# Altium PCB P1.1-worcv.PcbDoc (part 2 of 2)
Units mm, origin at the board's own origin, x right, y up, seen from the top; angles counter-clockwise.
Board outline 81 x 100 mm, 2 copper layers (Top Layer, Bottom Layer); 231 components, 118 nets, 665 pads, 762 vias.
Unrouted connection lines stored in the file: 9.
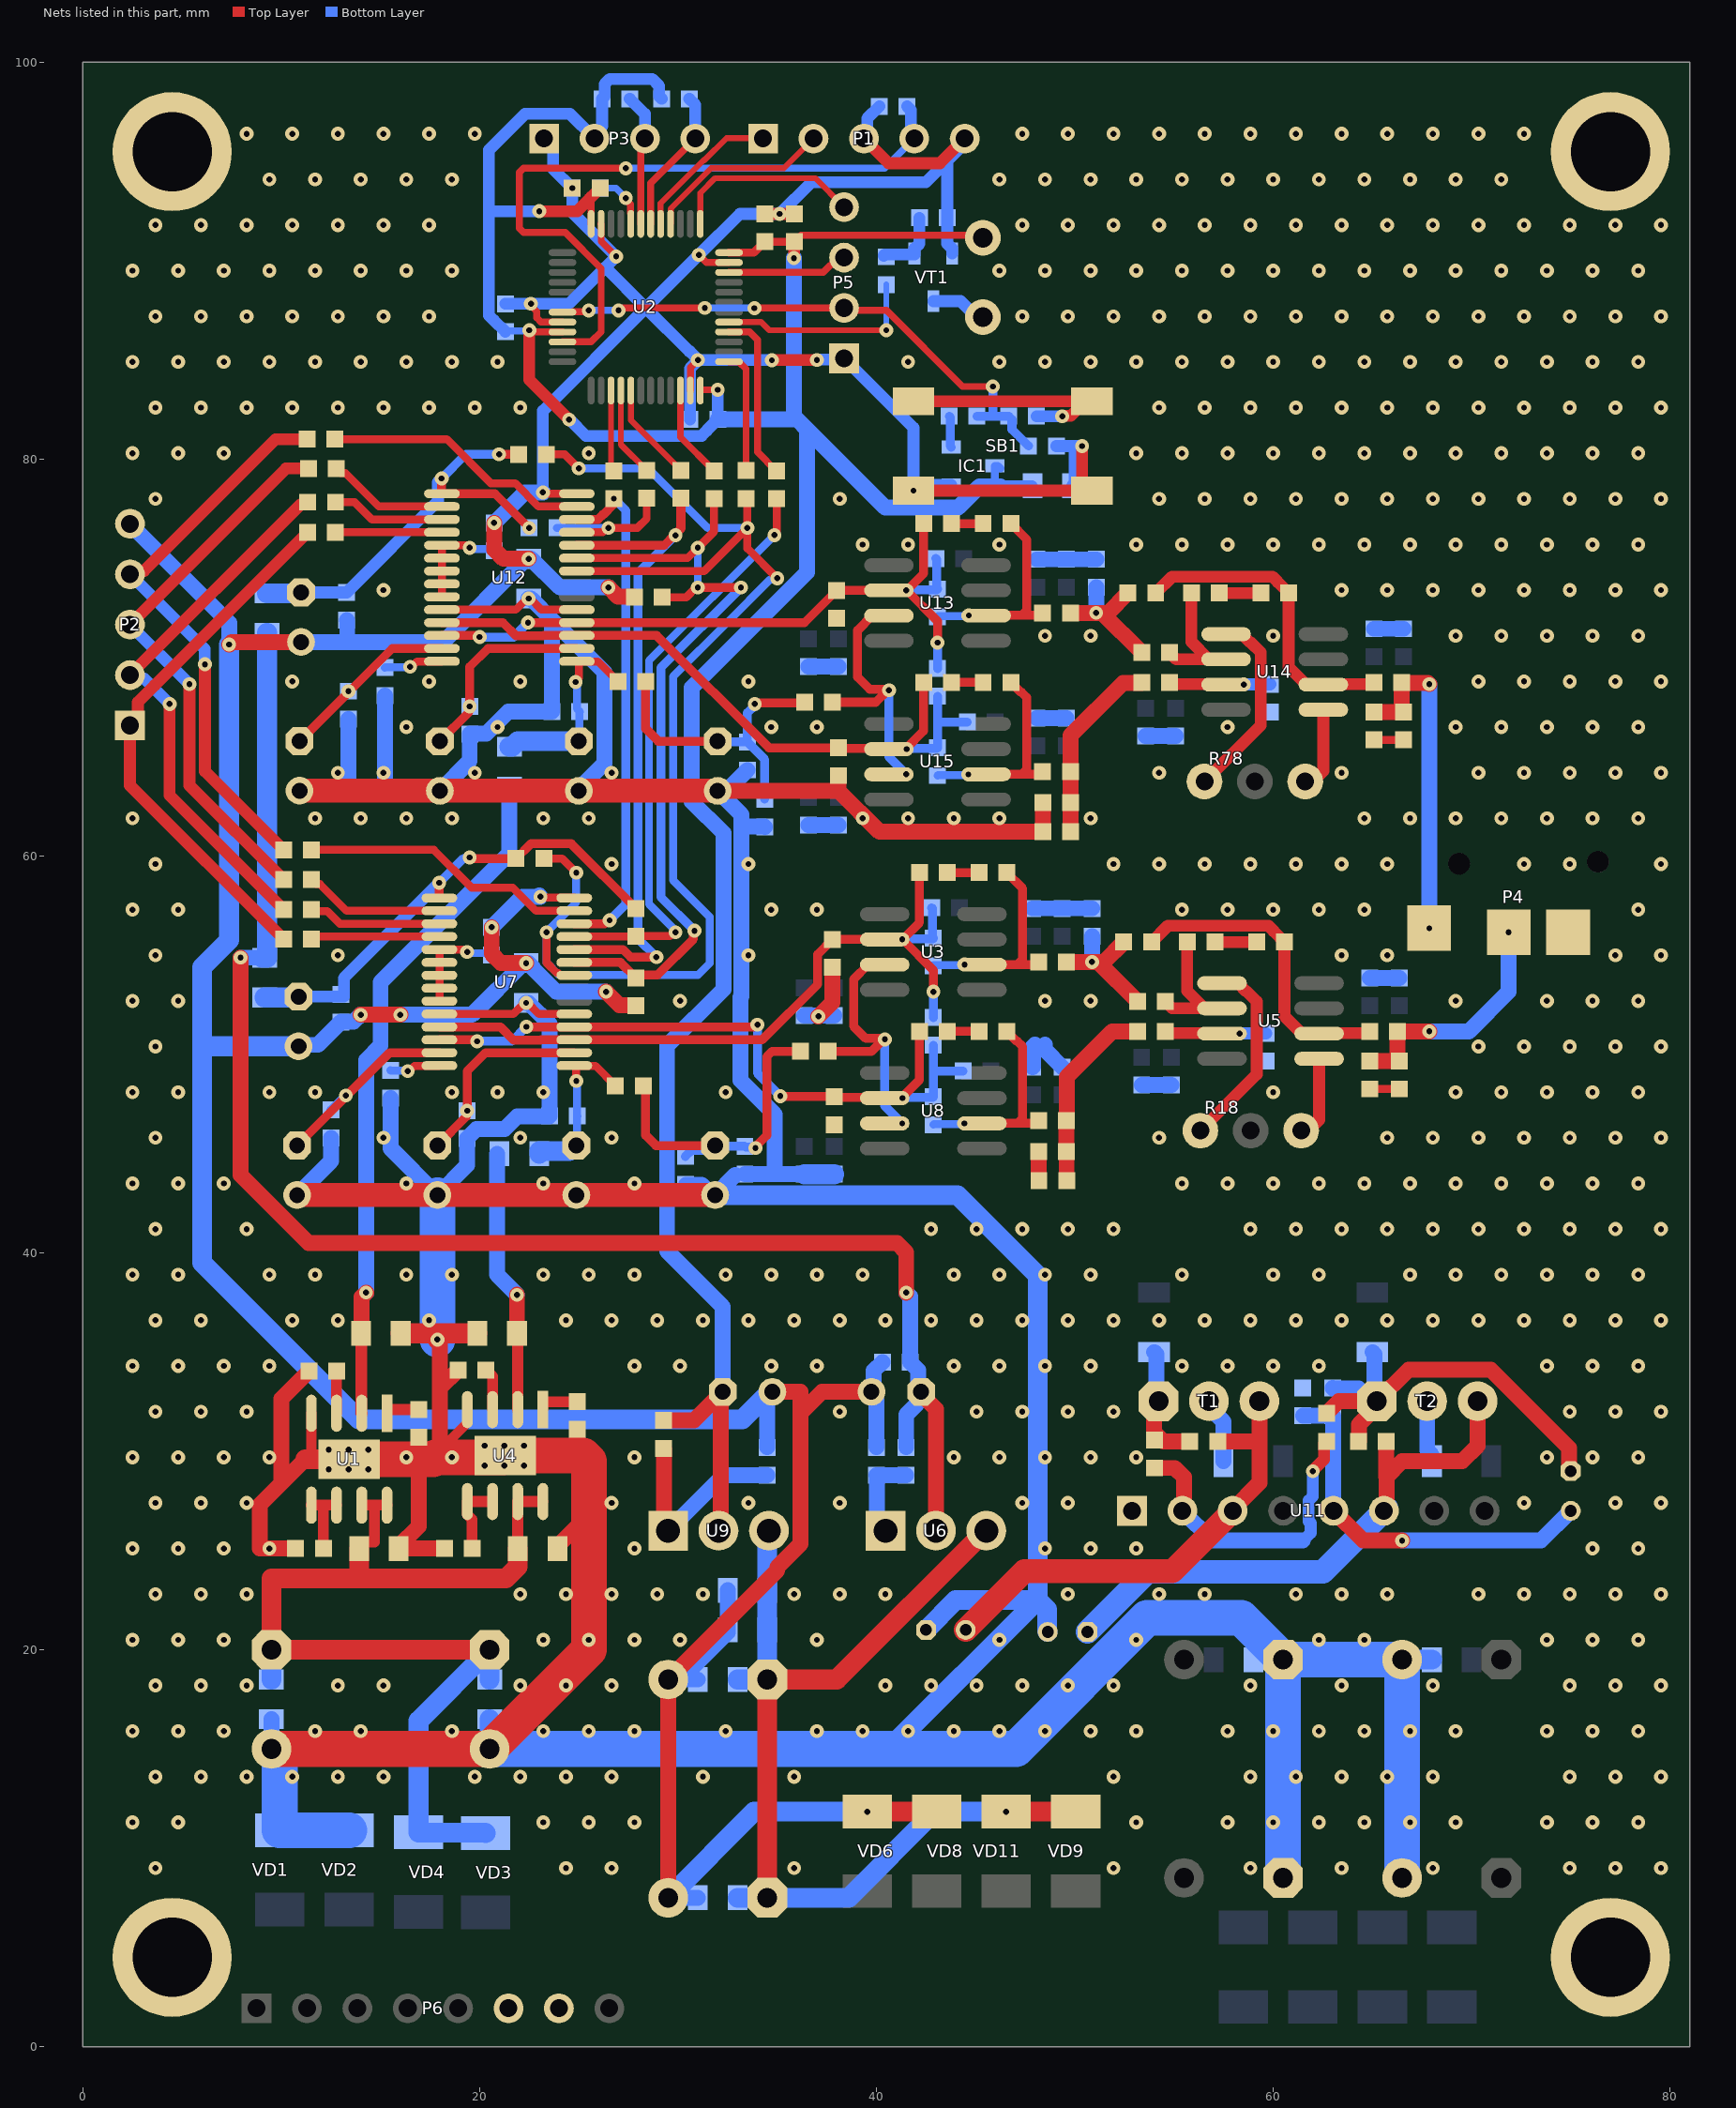
[diagram p2: the nets of this part, all layers, seen from the top]

## Via types
v1: diameter 0.7, hole 0.3, Top Layer to Bottom Layer, tented both sides, 749 vias
v2: diameter 0.7, hole 0.3, Top Layer to Bottom Layer, 13 vias

## Nets (pads, with @x,y where several pads share a name; then routed paths per layer and width w, separated by ;. In a path a pad name is that pad's centre, name@x,y a point inside that pad or via, vN(x,y) a via of type N, cw(c..) or ccw(c..) an arc to the next point about the centre after c; other vN are vias at no path point) (continued)
AGNDD: C1.2 C2.2 C3.2 C4.2 C6.2 C7.2 C8.2 C9.2 C10.2 C12.1 C13.1 C14.2 C15.2 C16.2 C17.2 C19.2 C20.2 C21.2 C22.2 C23.2 C25.1 C26.2 C27.1 C28.2 C29.2 C30.2 C31.2 C36.2 C37.2 C38.1 C41.2 C42.2 C43.2 C44.2 C45.2 C46.2 C47.1 C48.1 C49.1 C50.1 C53.2 C54.2 C58.2 C62.2 C66.2 C67.2 C68.2 C69.2 C70.2 C71.2 C74.1 C75.1 C78.2 C79.2 C80.2 C81.2 C83.1 C84.2 C85.1 C86.2 C87.2 C89.2 C90.2 C91.2 C92.2 C93.2 C94.2 C95.1 C98.2 C99.2 C100.2 C101.2 C102.2 C103.2 L1.2 L4.2 P4.4 P6.6 P6.7 pad.2 pad.3 pad.4 R10.2 R17.1 R38.2 R40.1 R42.1 R67.2 R77.1 R79.2 R83.1 U1.4 U1.9 U4.4 U4.9 U7.10 U7.19 U11.1 U12.10 U12.19 VD1.1 VD2.1 | length 433.2
  Top Layer w0.4: U7.10@17.969,52.038 21.694,52.038 22.259,52.603 v1(22.34,52.603) 22.422,52.603 22.987,52.038 U7.19@24.769,52.038 ; U12.10@18.094,72.413 21.819,72.413 22.384,72.978 v1(22.465,72.978) 22.547,72.978 23.112,72.413 U12.19@24.894,72.413 ; R17.1@64.869,48.263 C38.1@66.369,48.263 ; R77.1@65.078,65.854 C95.1@66.578,65.854
  Top Layer w0.5: 11.513,29.906 U1.4@11.513,31.918 ; 18,30.057 19.378,31.436 U4.4@19.378,32.102
  Top Layer w0.6: 11.209,29.602 11.513,29.906
  Top Layer w0.8: C10.2@10.718,25.102 8.918,25.102 8.918,27.311 10,28.392 ; 11.209,29.602 10,28.392 ; C15.2@11.389,34.046 10,32.657 10,28.392 ; C14.2@16.918,30.702 16.918,29.602 16.918,26.227 15.918,25.227 C3.2@15.918,25.102 C21.2@18.218,25.102 ; 18,29.685 18,30.057 18,33.183 ; v1@18,35.5 18,33.183 ; C29.2@18.918,34.102 18,33.183 ; C16.2@23.918,25.227 24.918,26.227 ; 24.918,29.785 C28.2@24.918,31.102 ; C103.2@31.994,63.288 38.087,63.288 ; v2(37.073,51.92) 37.781,52.627 C20.2@37.781,54.391 ; C84.2@38.078,64.054 38.087,64.045 38.087,63.288 ; R10.2@48.181,45.1 48.186,45.095 48.186,43.642 C27.1@48.191,43.637 ; R67.2@48.39,62.691 48.39,61.22 40.155,61.219 38.087,63.288
  Top Layer w1: 11.209,29.602 U1.9@13.418,29.602 ; C4.2@16.018,35.945 v1@17.949,35.945 ; v1(17.869,35.631) 17.869,35.864 v1@17.949,35.945 ; C17.2@19.88,35.947 19.88,35.945 v1@17.949,35.945 ; C67.2@24.869,42.913 C69.2@31.869,42.913
  Top Layer w1.2: C44.2@10.793,42.916 10.794,42.914 31.867,42.914 C69.2@31.869,42.913 ; C91.2@10.918,63.291 10.919,63.289 31.992,63.289 C103.2@31.994,63.288
  Top Layer w1.8: C2.2@9.5,15 C7.2@20.5,15 25.5,20 25.5,29.5 25.215,29.785 24.918,29.785 U4.9@21.283,29.785 21.183,29.685 18,29.685 17.751,29.685 ; U1.9@13.418,29.602 16.918,29.602 17.667,29.602
  Bottom Layer w0.8: C2.2@9.5,15 C1.2@9.5,16.5 ; C44.2@10.793,42.916 12.5,44.623 C43.2@12.5,45.8 ; C91.2@10.918,63.291 10.919,63.289 13.5,63.289 ; C90.2@13.38,66.909 13.38,63.41 13.5,63.289 ; R79.2@15.222,68.094 15.222,63.511 15,63.289 ; R38.2@15.5,47.8 15.5,45.282 C46.2@17.869,42.913 19.369,44.413 C45.2@19.369,45.763 19.844,46.238 21.258,46.238 21.897,46.877 23.497,46.877 C66.2@23.522,46.902 23.522,51.546 22.465,52.603 v1(22.34,52.603) ; v1(22.465,72.978) 22.59,72.978 23.647,71.921 ; C99.2@24.994,63.288 24.994,63.375 26.294,64.675 26.294,69.274 23.647,71.921 ; R42.1@30.394,43.438 31.181,43.438 C69.2@31.706,42.913 ; C103.2@31.831,63.288 C103.2@31.994,63.288 33.192,62.09 33.192,52.919 33.15,52.877 33.15,48.703 34.869,46.984 34.869,43.963 ; C69.2@31.869,42.913 32.894,43.938 ; C103.2@32.447,63.291 C102.2@33.494,64.338 ; 33.192,61.488 34.344,61.488 R83.1@34.369,61.463 ; C68.2@33.369,43.963 34.869,43.963 ; C41.2@36.369,43.963 34.869,43.963 ; C23.2@36.369,51.963 C22.2@37.869,51.963 ; C101.2@36.578,61.554 C100.2@38.078,61.554 ; C81.2@36.578,69.554 C80.2@38.078,69.554 ; C30.2@47.869,49.363 47.894,49.388 47.894,50.394 48,50.5 ; C8.2@47.869,57.363 C19.2@50.869,57.363 ; C86.2@48.078,66.954 C87.2@49.578,66.954 ; C70.2@48.078,74.954 C78.2@51.078,74.954 ; 48.5,50.5 48.5,50.232 C31.2@49.369,49.363 ; C36.2@53.369,48.463 C37.2@54.869,48.463 ; C93.2@53.578,66.054 C94.2@55.078,66.054 ; C12.1@64.869,53.863 C13.1@66.369,53.863 ; C74.1@65.078,71.454 C75.1@66.578,71.454 ; 13.5,63.289 15,63.289 ; 15,63.289 C89.2@17.994,63.288 C89.2@17.994,63.288 19.494,64.788 C92.2@19.494,66.138 19.519,66.163 20.331,66.163 21.445,67.277 C98.2@23.647,67.277 23.647,71.921
  Bottom Layer w1: C7.2@20.5,15 C6.2@20.5,16.5 ; C69.2@31.706,42.913 C69.2@31.869,42.913 44.087,42.913 48.129,38.871 48.129,22.5 ; C41.2@36.369,43.963 C42.2@37.869,43.963 ; 40.629,15 48.129,22.5 ; C50.1@42.5,21 44,22.5 48.129,22.5 ; C62.2@48.636,20.9 48.598,20.939 48.598,22.031 48.129,22.5 ; C54.2@66.5,19.5 C58.2@68,19.5
  Bottom Layer w1.8: C2.2@9.5,15 9.5,14.946 9.918,14.527 VD1.1@9.918,10.895 VD2.1@13.418,10.895 ; v1(17.869,35.631) C46.2@17.869,42.913 ; C7.2@20.5,15 40.629,15 47.041,15 53.641,21.6 58.4,21.6 C48.1@60.5,19.5 ; C47.1@60.5,8.5 C48.1@60.5,19.5 ; C53.2@66.5,8.5 66.5,19.5 C48.1@60.5,19.5
  other v1: 3.65,9 24.35,9 26.65,9 35.85,9 51.95,9 58.85,9 63.45,9 68.05,9 74.95,9 77.25,9 79.55,9 2.5,11.3 4.8,11.3 23.2,11.3 25.5,11.3 27.8,11.3 53.1,11.3 57.7,11.3 60,11.3 62.3,11.3 64.6,11.3 66.9,11.3 69.2,11.3 73.8,11.3 76.1,11.3 78.4,11.3 3.65,13.6 5.95,13.6 8.25,13.6 10.55,13.6 12.85,13.6 15.15,13.6 19.75,13.6 22.05,13.6 24.35,13.6 26.65,13.6 31.25,13.6 35.85,13.6 51.95,13.6 58.85,13.6 61.15,13.6 63.45,13.6 65.75,13.6 68.05,13.6 74.95,13.6 77.25,13.6 79.55,13.6 2.5,15.9 4.8,15.9 7.1,15.9 11.7,15.9 14,15.9 18.6,15.9 23.2,15.9 25.5,15.9 27.8,15.9 32.4,15.9 37,15.9 39.3,15.9 41.6,15.9 43.9,15.9 46.2,15.9 48.5,15.9 50.8,15.9 53.1,15.9 57.7,15.9 60,15.9 62.3,15.9 64.6,15.9 66.9,15.9 69.2,15.9 73.8,15.9 76.1,15.9 78.4,15.9 3.65,18.2 5.95,18.2 8.25,18.2 12.85,18.2 15.15,18.2 22.05,18.2 24.35,18.2 26.65,18.2 40.45,18.2 42.75,18.2 45.05,18.2 47.35,18.2 49.65,18.2 51.95,18.2 58.85,18.2 63.45,18.2 68.05,18.2 74.95,18.2 77.25,18.2 79.55,18.2 2.5,20.5 4.8,20.5 7.1,20.5 23.2,20.5 25.5,20.5 27.8,20.5 30.1,20.5 37,20.5 46.2,20.5 53.1,20.5 62.3,20.5 64.6,20.5 73.8,20.5 76.1,20.5 78.4,20.5 3.65,22.8 5.95,22.8 8.25,22.8 22.05,22.8 24.35,22.8 26.65,22.8 28.95,22.8 31.25,22.8 35.85,22.8 38.15,22.8 40.45,22.8 49.65,22.8 54.25,22.8 56.55,22.8 61.15,22.8 63.45,22.8 65.75,22.8 70.35,22.8 72.65,22.8 74.95,22.8 77.25,22.8 79.55,22.8 2.5,25.1 4.8,25.1 7.1,25.1 9.4,25.1 27.8,25.1 48.5,25.1 50.8,25.1 53.1,25.1 76.1,25.1 78.4,25.1 3.65,27.4 5.95,27.4 8.25,27.4 26.65,27.4 33.55,27.4 38.15,27.4 47.35,27.4 49.65,27.4 72.65,27.4 77.25,27.4 79.55,27.4 2.5,29.7 4.8,29.7 7.1,29.7 9.4,29.7 16.3,29.7 18.6,29.7 27.8,29.7 43.9,29.7 46.2,29.7 48.5,29.7 50.8,29.7 53.1,29.7 73.8,29.7 76.1,29.7 78.4,29.7 3.65,32 5.95,32 8.25,32 38.15,32 45.05,32 47.35,32 49.65,32 51.95,32 74.95,32 77.25,32 79.55,32 2.5,34.3 4.8,34.3 7.1,34.3 9.4,34.3 27.8,34.3 30.1,34.3 34.7,34.3 37,34.3 43.9,34.3 46.2,34.3 48.5,34.3 50.8,34.3 55.4,34.3 57.7,34.3 60,34.3 62.3,34.3 73.8,34.3 76.1,34.3 78.4,34.3 3.65,36.6 5.95,36.6 10.55,36.6 12.85,36.6 17.45,36.6 24.35,36.6 26.65,36.6 28.95,36.6 31.25,36.6 33.55,36.6 35.85,36.6 38.15,36.6 40.45,36.6 42.75,36.6 45.05,36.6 47.35,36.6 49.65,36.6 51.95,36.6 54.25,36.6 56.55,36.6 58.85,36.6 61.15,36.6 63.45,36.6 65.75,36.6 68.05,36.6 70.35,36.6 72.65,36.6 74.95,36.6 77.25,36.6 79.55,36.6 2.5,38.9 4.8,38.9 9.4,38.9 11.7,38.9 16.3,38.9 18.6,38.9 23.2,38.9 25.5,38.9 27.8,38.9 32.4,38.9 34.7,38.9 37,38.9 39.3,38.9 43.9,38.9 46.2,38.9 48.5,38.9 50.8,38.9 55.4,38.9 60,38.9 62.3,38.9 66.9,38.9 69.2,38.9 71.5,38.9 73.8,38.9 76.1,38.9 78.4,38.9 3.65,41.2 8.25,41.2 42.75,41.2 45.05,41.2 47.35,41.2 49.65,41.2 51.95,41.2 58.85,41.2 61.15,41.2 63.45,41.2 65.75,41.2 68.05,41.2 70.35,41.2 72.65,41.2 74.95,41.2 77.25,41.2 79.55,41.2 2.5,43.5 4.8,43.5 7.1,43.5 16.3,43.5 23.2,43.5 27.8,43.5 55.4,43.5 57.7,43.5 60,43.5 62.3,43.5 64.6,43.5 66.9,43.5 69.2,43.5 71.5,43.5 73.8,43.5 76.1,43.5 78.4,43.5 3.65,45.8 15.15,45.8 22.05,45.8 26.65,45.8 54.25,45.8 65.75,45.8 68.05,45.8 70.35,45.8 72.65,45.8 74.95,45.8 77.25,45.8 79.55,45.8 2.5,48.1 4.8,48.1 9.4,48.1 11.7,48.1 18.6,48.1 20.9,48.1 23.2,48.1 32.4,48.1 60,48.1 69.2,48.1 71.5,48.1 73.8,48.1 76.1,48.1 78.4,48.1 3.65,50.4 70.35,50.4 72.65,50.4 74.95,50.4 77.25,50.4 79.55,50.4 2.5,52.7 4.8,52.7 30.1,52.7 48.5,52.7 50.8,52.7 69.2,52.7 73.8,52.7 76.1,52.7 78.4,52.7 3.65,55 12.85,55 33.55,55 63.45,55 65.75,55 77.25,55 79.55,55 2.5,57.3 4.8,57.3 34.7,57.3 37,57.3 55.4,57.3 57.7,57.3 60,57.3 62.3,57.3 64.6,57.3 78.4,57.3 3.65,59.6 26.65,59.6 33.55,59.6 51.95,59.6 54.25,59.6 56.55,59.6 58.85,59.6 61.15,59.6 63.45,59.6 65.75,59.6 72.65,59.6 74.95,59.6 79.55,59.6 2.5,61.9 11.7,61.9 14,61.9 16.3,61.9 18.6,61.9 23.2,61.9 25.5,61.9 39.3,61.9 41.6,61.9 43.9,61.9 46.2,61.9 50.8,61.9 64.6,61.9 66.9,61.9 69.2,61.9 71.5,61.9 73.8,61.9 76.1,61.9 78.4,61.9 12.85,64.2 15.15,64.2 19.75,64.2 26.65,64.2 54.25,64.2 63.45,64.2 70.35,64.2 72.65,64.2 74.95,64.2 77.25,64.2 79.55,64.2 16.3,66.5 20.9,66.5 34.7,66.5 37,66.5 57.7,66.5 69.2,66.5 71.5,66.5 73.8,66.5 76.1,66.5 78.4,66.5 10.55,68.8 17.45,68.8 22.05,68.8 33.55,68.8 70.35,68.8 72.65,68.8 74.95,68.8 77.25,68.8 79.55,68.8 48.5,71.1 50.8,71.1 60,71.1 69.2,71.1 71.5,71.1 73.8,71.1 76.1,71.1 78.4,71.1 15.15,73.4 63.45,73.4 65.75,73.4 68.05,73.4 70.35,73.4 72.65,73.4 74.95,73.4 77.25,73.4 79.55,73.4 39.3,75.7 41.6,75.7 46.2,75.7 53.1,75.7 55.4,75.7 57.7,75.7 60,75.7 62.3,75.7 64.6,75.7 66.9,75.7 69.2,75.7 71.5,75.7 73.8,75.7 76.1,75.7 78.4,75.7 3.65,78 38.15,78 54.25,78 56.55,78 58.85,78 61.15,78 63.45,78 65.75,78 68.05,78 70.35,78 72.65,78 74.95,78 77.25,78 79.55,78 2.5,80.3 4.8,80.3 7.1,80.3 25.5,80.3 53.1,80.3 55.4,80.3 57.7,80.3 60,80.3 62.3,80.3 64.6,80.3 66.9,80.3 69.2,80.3 71.5,80.3 73.8,80.3 76.1,80.3 78.4,80.3 3.65,82.6 5.95,82.6 8.25,82.6 10.55,82.6 12.85,82.6 15.15,82.6 17.45,82.6 19.75,82.6 22.05,82.6 54.25,82.6 56.55,82.6 58.85,82.6 61.15,82.6 63.45,82.6 65.75,82.6 68.05,82.6 70.35,82.6 72.65,82.6 74.95,82.6 77.25,82.6 79.55,82.6 2.5,84.9 4.8,84.9 7.1,84.9 9.4,84.9 11.7,84.9 14,84.9 16.3,84.9 18.6,84.9 20.9,84.9 41.6,84.9 46.2,84.9 48.5,84.9 50.8,84.9 53.1,84.9 55.4,84.9 57.7,84.9 60,84.9 62.3,84.9 64.6,84.9 66.9,84.9 69.2,84.9 71.5,84.9 73.8,84.9 76.1,84.9 78.4,84.9 3.65,87.2 5.95,87.2 8.25,87.2 10.55,87.2 12.85,87.2 15.15,87.2 17.45,87.2 47.35,87.2 49.65,87.2 51.95,87.2 54.25,87.2 56.55,87.2 58.85,87.2 61.15,87.2 63.45,87.2 65.75,87.2 68.05,87.2 70.35,87.2 72.65,87.2 74.95,87.2 77.25,87.2 79.55,87.2 2.5,89.5 4.8,89.5 7.1,89.5 9.4,89.5 11.7,89.5 14,89.5 16.3,89.5 18.6,89.5 46.2,89.5 48.5,89.5 50.8,89.5 53.1,89.5 55.4,89.5 57.7,89.5 60,89.5 62.3,89.5 64.6,89.5 66.9,89.5 69.2,89.5 71.5,89.5 73.8,89.5 76.1,89.5 78.4,89.5 3.65,91.8 5.95,91.8 8.25,91.8 10.55,91.8 12.85,91.8 15.15,91.8 17.45,91.8 47.35,91.8 49.65,91.8 51.95,91.8 54.25,91.8 56.55,91.8 58.85,91.8 61.15,91.8 63.45,91.8 65.75,91.8 68.05,91.8 70.35,91.8 72.65,91.8 74.95,91.8 77.25,91.8 79.55,91.8 9.4,94.1 11.7,94.1 14,94.1 16.3,94.1 18.6,94.1 46.2,94.1 48.5,94.1 50.8,94.1 53.1,94.1 55.4,94.1 57.7,94.1 60,94.1 62.3,94.1 64.6,94.1 66.9,94.1 69.2,94.1 71.5,94.1 8.25,96.4 10.55,96.4 12.85,96.4 15.15,96.4 17.45,96.4 19.75,96.4 47.35,96.4 49.65,96.4 51.95,96.4 54.25,96.4 56.55,96.4 58.85,96.4 61.15,96.4 63.45,96.4 65.75,96.4 68.05,96.4 70.35,96.4 72.65,96.4
  other v2: 12.388,29.089 13.388,29.089 14.388,29.089 20.242,29.282 21.242,29.282 22.242,29.282 12.388,30.089 13.388,30.089 14.388,30.089 20.242,30.282 21.242,30.282 22.242,30.282
AVDDL: C4.1 L5.2 U1.2 | length 34.7
  Top Layer w0.6: C4.1@14.018,35.945 14.036,35.927 14.036,31.935 U1.2@14.053,31.918
  Top Layer w0.8: C4.1@14.018,35.945 14.042,35.968 14.042,37.77 v1(14.272,38)
  Bottom Layer w0.8: v1(14.272,38) 14.272,49.709 15,50.437 15,53.641 21.5,60.141 L5.2@21.5,63.5
AVDDR: C17.1 L2.2 U4.2 | length 13.3
  Top Layer w0.55: C17.1@21.88,35.947 21.915,35.912 21.915,32.105 U4.2@21.918,32.102
  Top Layer w0.8: C17.1@21.88,35.947 v1@21.88,37.888
  Bottom Layer w0.8: L2.2@20.869,45 20.869,38.901 v1(21.881,37.889)
AVIN: C1.1 C2.1 C3.1 C6.1 C7.1 C16.1 U1.7 U1.8 U4.7 U4.8 VD3.2 VD4.2 | length 54.5
  Top Layer w0.55: C3.1@13.918,25.102 13.918,25.199 14.143,25.424 14.688,25.424 14.688,27.285 ; U1.7@14.053,27.285 14.688,27.285 ; U1.8@15.323,27.285 14.688,27.285 ; C16.1@21.918,25.102 U4.7@21.918,27.469 U4.8@23.188,27.469
  Top Layer w1: C3.1@13.918,25.102 13.918,23.683 14,23.602 ; C7.1@20.5,20 C2.1@9.5,20 9.5,23.602 14,23.602 ; C16.1@21.918,25.102 21.918,24.187 21.333,23.602 14,23.602
  Bottom Layer w1: C1.1@9.5,18.5 C2.1@9.5,20 ; VD3.2@20.297,10.763 20.281,10.779 16.934,10.779 VD4.2@16.918,10.795 16.918,16.418 C7.1@20.5,20 C6.1@20.5,18.5
BCLK: P2.2 R19.1 R56.1 | length 27.9
  Top Layer w0.6: P2.2@2.369,69.123 10.957,77.711 11.207,77.711 R56.1@11.332,77.836 ; v1(4.369,67.663) 4.369,63.055 R19.1@10.113,57.311
  Bottom Layer w0.6: P2.2@2.369,69.123 2.541,68.951 3.081,68.951 v1@4.35,67.682
BUZZ: R26.1 U2.29 | length 10.4
  Top Layer w0.3: U2.29@32.569,86.913 34.187,86.913 34.6,86.5 v1(40.5,86.5)
  Bottom Layer w0.3: v1(40.5,86.5) R26.1@40.5,88.8
DGNDD: C5.2 C33.2 C34.1 C35.2 C39.1 C40.2 C51.2 C52.2 C55.1 C56.2 C57.1 C59.1 C60.2 C61.2 C63.1 C64.2 C65.2 C76.2 C96.2 C97.2 IC1.1 L1.1 L4.1 P1.3 P1.5 P2.5 P3.1 P5.1 R22.2 R27.1 R28.2 R32.2 R39.1 R51.2 R55.1 R61.1 R80.1 SB1.2 U2.8 U2.23 U2.35 U2.47 U7.28 U12.28 VD6.1 VD8.1 VT1.2 | length 311.4
  Top Layer w0.35: v1(22.584,87.833) 22.584,87.738 22.882,87.439 22.882,87.118 23.087,86.913 U2.8@24.169,86.913 ; U2.47@26.119,91.863 26.124,91.858 26.124,90.971 v1(26.88,90.215) ; U2.23@30.619,83.463 30.619,84.619 v1(31,85) ; v1(31.047,90.293) 31.428,89.913 U2.35@32.569,89.913
  Top Layer w0.4: v1(23.062,57.95) 23.115,57.897 24.759,57.897 U7.28@24.769,57.888 ; v1(23.187,78.325) 23.24,78.272 24.884,78.272 U12.28@24.894,78.263
  Top Layer w0.6: C56.2@34.369,92.363 v1(35.119,92.363) C57.1@35.869,92.363 ; v1(34.727,84.984) 34.735,84.992 36.992,84.992 v1(37,85) ; P1.3@39.369,96.163 40.619,94.913 43.199,94.913 P1.5@44.449,96.163 ; v1(41.869,78.413) SB1.2@50.769,78.413 ; v1(50.369,80.663) 50.369,78.813 SB1.2@50.769,78.413 ; SB1.2@50.869,78.413 SB1.2@50.769,78.413
  Top Layer w0.8: v1(7.369,70.663) 7.494,70.788 C97.2@10.994,70.788 ; v1(14,52) v1(16,52) ; v1(20.602,56.413) 20.602,55.072 21.071,54.603 v1(22.34,54.603) ; v1(20.727,76.788) 20.727,75.447 21.196,74.978 v1(22.465,74.978) ; v1(26.369,53.163) 27.044,52.488 27.869,52.488 R39.1@27.894,52.463 ; v1(26.494,73.538) 26.969,73.063 27.769,73.063 R80.1@27.794,73.038 ; C52.2@29.5,7.5 C61.2@29.5,18.5 35,24 35,24.157 36.18,25.337 36.18,31.93 ; C40.2@34.75,33 36.18,33 36.18,31.93 ; C35.2@39.75,33 37.25,33 36.18,31.93
  Top Layer w1: C52.2@29.5,7.5 C52.2@29.636,7.5 ; v1(39.538,11.838) VD8.1@43.038,11.838
  Bottom Layer w0.6: C55.1@21.294,87.829 24.493,87.829 26.332,89.668 ; v1(23.187,78.325) 23.187,82.433 28.377,87.623 ; P3.1@23.249,96.163 23.695,95.716 23.695,94.636 v1(24.669,93.663) 24.669,92.426 v1(26.88,90.215) 26.332,89.668 ; C59.1@30.6,82 30.6,84.573 31,84.973 v1(31,85) ; v1@30.942,90.215 31.02,90.293 v1(31.047,90.293) ; v1(34.727,84.984) 34.72,84.992 31.008,84.992 v1(31,85) ; v1(37,85) 37.019,85.019 38.305,85.019 P5.1@38.369,85.083 41.869,81.583 v1(41.869,78.413) ; P1.3@39.369,96.163 39.541,96.335 39.541,97.179 C5.2@40.147,97.785 ; 42.196,78.713 IC1.1@43.769,78.713 ; VT1.2@43.819,90.363 43.819,90.613 43.569,90.863 R28.2@43.569,92.163 43.569,95.039 ; P1.5@44.449,96.163 44.449,95.919 43.569,95.039 ; R55.1@49.069,80.663 v1(50.369,80.663) 50.369,80.636 49.994,80.261 49.994,78.788 C76.2@49.869,78.663 ; 26.332,89.668 28.377,87.623 ; 28.377,87.623 v1(31.047,90.293) ; 28.377,87.623 30.568,85.432 30.595,85.432 31,85.027 v1(31,85) ; v1(31.047,90.293) 33.117,92.363 v1(35.119,92.363) 36.709,93.953 42.482,93.953 43.569,95.039
  Bottom Layer w0.8: P2.5@2.369,76.743 7.369,71.743 v1(7.369,70.663) ; C64.2@10.869,50.413 10.94,50.484 11.852,50.484 C65.2@12.993,51.624 13.018,51.649 13.649,51.649 v1(14,52) ; C97.2@10.994,70.788 13.369,70.788 ; C96.2@13.298,71.888 13.323,71.863 13.323,70.833 13.369,70.788 ; v1(16,52) 19.612,52 22.215,54.603 v1(22.34,54.603) 22.465,54.603 22.669,54.399 22.669,54.341 23.847,53.163 v1(26.369,53.163) ; v1(20.602,56.413) 22.139,57.95 v1(23.062,57.95) v1@23,58.012 ; v1(20.727,76.788) 22.264,78.325 v1(23.187,78.325) ; v1(26.494,73.538) 24.03,73.538 22.59,74.978 v1(22.465,74.978) 22.34,74.978 18.15,70.788 13.369,70.788 ; C52.2@29.5,7.5 C34.1@31,7.5 ; C61.2@29.5,18.5 C39.1@31,18.5 ; C61.2@30.355,18.73 32.5,20.875 C60.2@32.5,21 C51.2@32.5,23 ; R32.2@34.5,30.2 34.5,32.588 34.75,32.838 C40.2@34.75,33 ; R22.2@40,30.2 40,32.588 39.75,32.838 C35.2@39.75,33 39.865,33.115 39.865,34.065 C33.2@40.3,34.5
  Bottom Layer w1: v1(7.369,70.663) 7.369,55.766 6,54.397 6,50.5 ; C64.2@10.869,50.413 6.087,50.413 6,50.5 ; C52.2@29.5,7.5 33.838,11.838 v1(39.538,11.838) ; C40.2@34.75,33 34.642,33 33.242,31.6 13.9,31.6 6,39.5 6,50.5
DVDD5: C33.1 C35.1 L3.2 L6.2 R20.2 U6.2 | length 81.6
  Top Layer w0.8: v1(7.944,54.88) 7.944,43.927 11.37,40.5 41.031,40.5 41.5,40.031 v1(41.5,38) ; C35.1@42.25,33 42.25,32.884 43,32.134 U6.2@43,26
  Bottom Layer w0.8: v1(7.944,54.88) 9.024,54.88 L3.2@9.029,54.875 ; R20.2@41.5,30.2 41.5,31.836 42.066,32.402 42.066,32.816 C35.1@42.25,33 ; v1(41.5,38) 41.7,37.8 C33.1@41.7,34.5 42.109,34.091 42.109,33.07 C35.1@42.179,33
  Bottom Layer w1: L3.2@9.029,54.875 L3.2@9.154,54.875 9.279,54.875 L6.2@9.279,71.244
DVDDL: C96.1 C97.1 L6.1 R65.2 R75.1 U12.1 | length 21.9
  Top Layer w0.45: v1(18.079,79.026) 18.079,78.263 U12.1@18.094,78.263 20.769,78.263 v1(22.494,76.538) ; v1(20.975,80.246) R65.2@21.957,80.246
  Bottom Layer w0.45: L6.1@9.236,73.287 L6.1@9.279,73.244 ; v1@18.036,78.984 v1(18.079,79.026) 19.298,80.246 v1(20.975,80.246)
  Bottom Layer w0.6: C97.1@10.994,73.288 C96.1@13.298,73.288 17.897,77.886 v1@17.897,78.844
  Bottom Layer w1: L6.1@9.279,73.244 10.95,73.244 C97.1@10.994,73.288
DVDDR: C64.1 C65.1 L3.1 R29.2 R36.1 U7.1 | length 24.6
  Top Layer w0.45: v1(17.954,58.651) 17.961,58.644 17.961,57.895 U7.1@17.969,57.888 ; v1(19.494,59.926) 19.562,59.926 19.617,59.871 R29.2@21.832,59.871 22.582,60.621 24.61,60.621 R36.1@27.869,57.363
  Bottom Layer w0.45: C64.1@10.831,52.875 C64.1@10.869,52.913 ; v1(17.954,58.651) 19.181,59.878 19.446,59.878 v1(19.494,59.926)
  Bottom Layer w0.6: C64.1@10.869,52.913 13.15,52.913 13.15,53.847 v1(17.954,58.651)
  Bottom Layer w1: L3.1@9.154,52.875 C64.1@10.831,52.875
DVDR3: BF1.1 C40.1 C55.2 C56.1 C57.2 C59.2 C63.2 C76.1 IC1.3 P3.2 R8.2 R12.2 R31.2 U2.9 U2.24 U2.36 U2.48 U9.2 | length 155.6
  Top Layer w0.35: v1(22.5,86.5) 22.595,86.5 22.682,86.413 U2.9@24.169,86.413 ; U2.48@25.619,91.863 25.619,93.213 ; U2.24@31.119,83.463 31.119,83.475 31.144,83.5 v1(32,83.5) ; C57.2@35.869,90.963 36.194,91.288 45.244,91.288 BF1.1@45.369,91.163
  Top Layer w0.4: U2.36@32.569,90.413 33.819,90.413 C56.1@34.369,90.963 C57.2@35.869,90.963
  Top Layer w0.6: v1(22.5,86.5) 22.5,84 v1(24.5,82) ; v1(23,92.5) 24.922,92.5 25.52,93.098 25.52,93.114 25.619,93.213 C63.2@26.069,93.663 ; v1(35.843,90.137) 35.856,90.15 35.856,90.95 C57.2@35.869,90.963
  Top Layer w0.8: R31.2@29.271,31.553 30.803,31.553 C40.1@32.145,32.895 ; U9.2@32.04,26.325 U9.2@32.04,26 32.145,26.105 C40.1@32.145,32.895 ; C40.1@32.25,33 C40.1@32.145,32.895
  Bottom Layer w0.35: C55.2@21.294,86.429 21.33,86.464 22.464,86.464 v1(22.5,86.5)
  Bottom Layer w0.4: 46.244,78.628 45.969,78.903 IC1.3@45.969,79.663 46.119,79.663 IC1.3@46.244,79.538
  Bottom Layer w0.6: C55.2@21.294,86.429 20.719,87.004 20.703,87.004 20.469,87.238 20.469,92.5 ; v1(23,92.5) 20.469,92.5 ; v1(24.5,82) 24.527,82 25.352,81.175 31.191,81.175 31.451,81.435 31.451,81.451 C59.2@32,82 v1(32,83.5) ; R8.2@29.169,98.163 29.044,98.288 29.044,98.811 28.692,99.163 26.556,99.163 26.294,98.901 26.294,98.288 R12.2@26.169,98.163 26.169,96.786 25.789,96.406 P3.2@25.789,96.163 24.539,97.413 22.292,97.413 20.469,95.59 20.469,92.5 ; 46.244,78.628 C76.1@47.834,78.628
  Bottom Layer w0.8: C59.2@32,82 35.843,82 ; C40.1@32.25,33 32.25,37.294 29.444,40.101 29.444,50.444 32.292,53.292 32.292,61.151 30.694,62.749 30.694,68.492 36.5,74.298 36.5,81.5 ; v1(35.843,90.137) 35.843,82 ; 46.244,78.628 45.191,78.628 44.126,77.563 40.437,77.563 36.5,81.5 ; 35.843,82 36,82 36.5,81.5